# Altium PCB Battman.PcbDoc (part 4 of 5)
Units mm, origin at the board's own origin, x right, y up, seen from the top; angles counter-clockwise.
Board outline 110 x 68 mm, 6 copper layers (Top Layer, Mid Layer 1, Mid Layer 2, Mid Layer 3, Mid Layer 4, Bottom Layer), stack 1.235 mm thick; 358 components, 241 nets, 1126 pads, 1797 vias.
Unrouted connection lines stored in the file: 2.
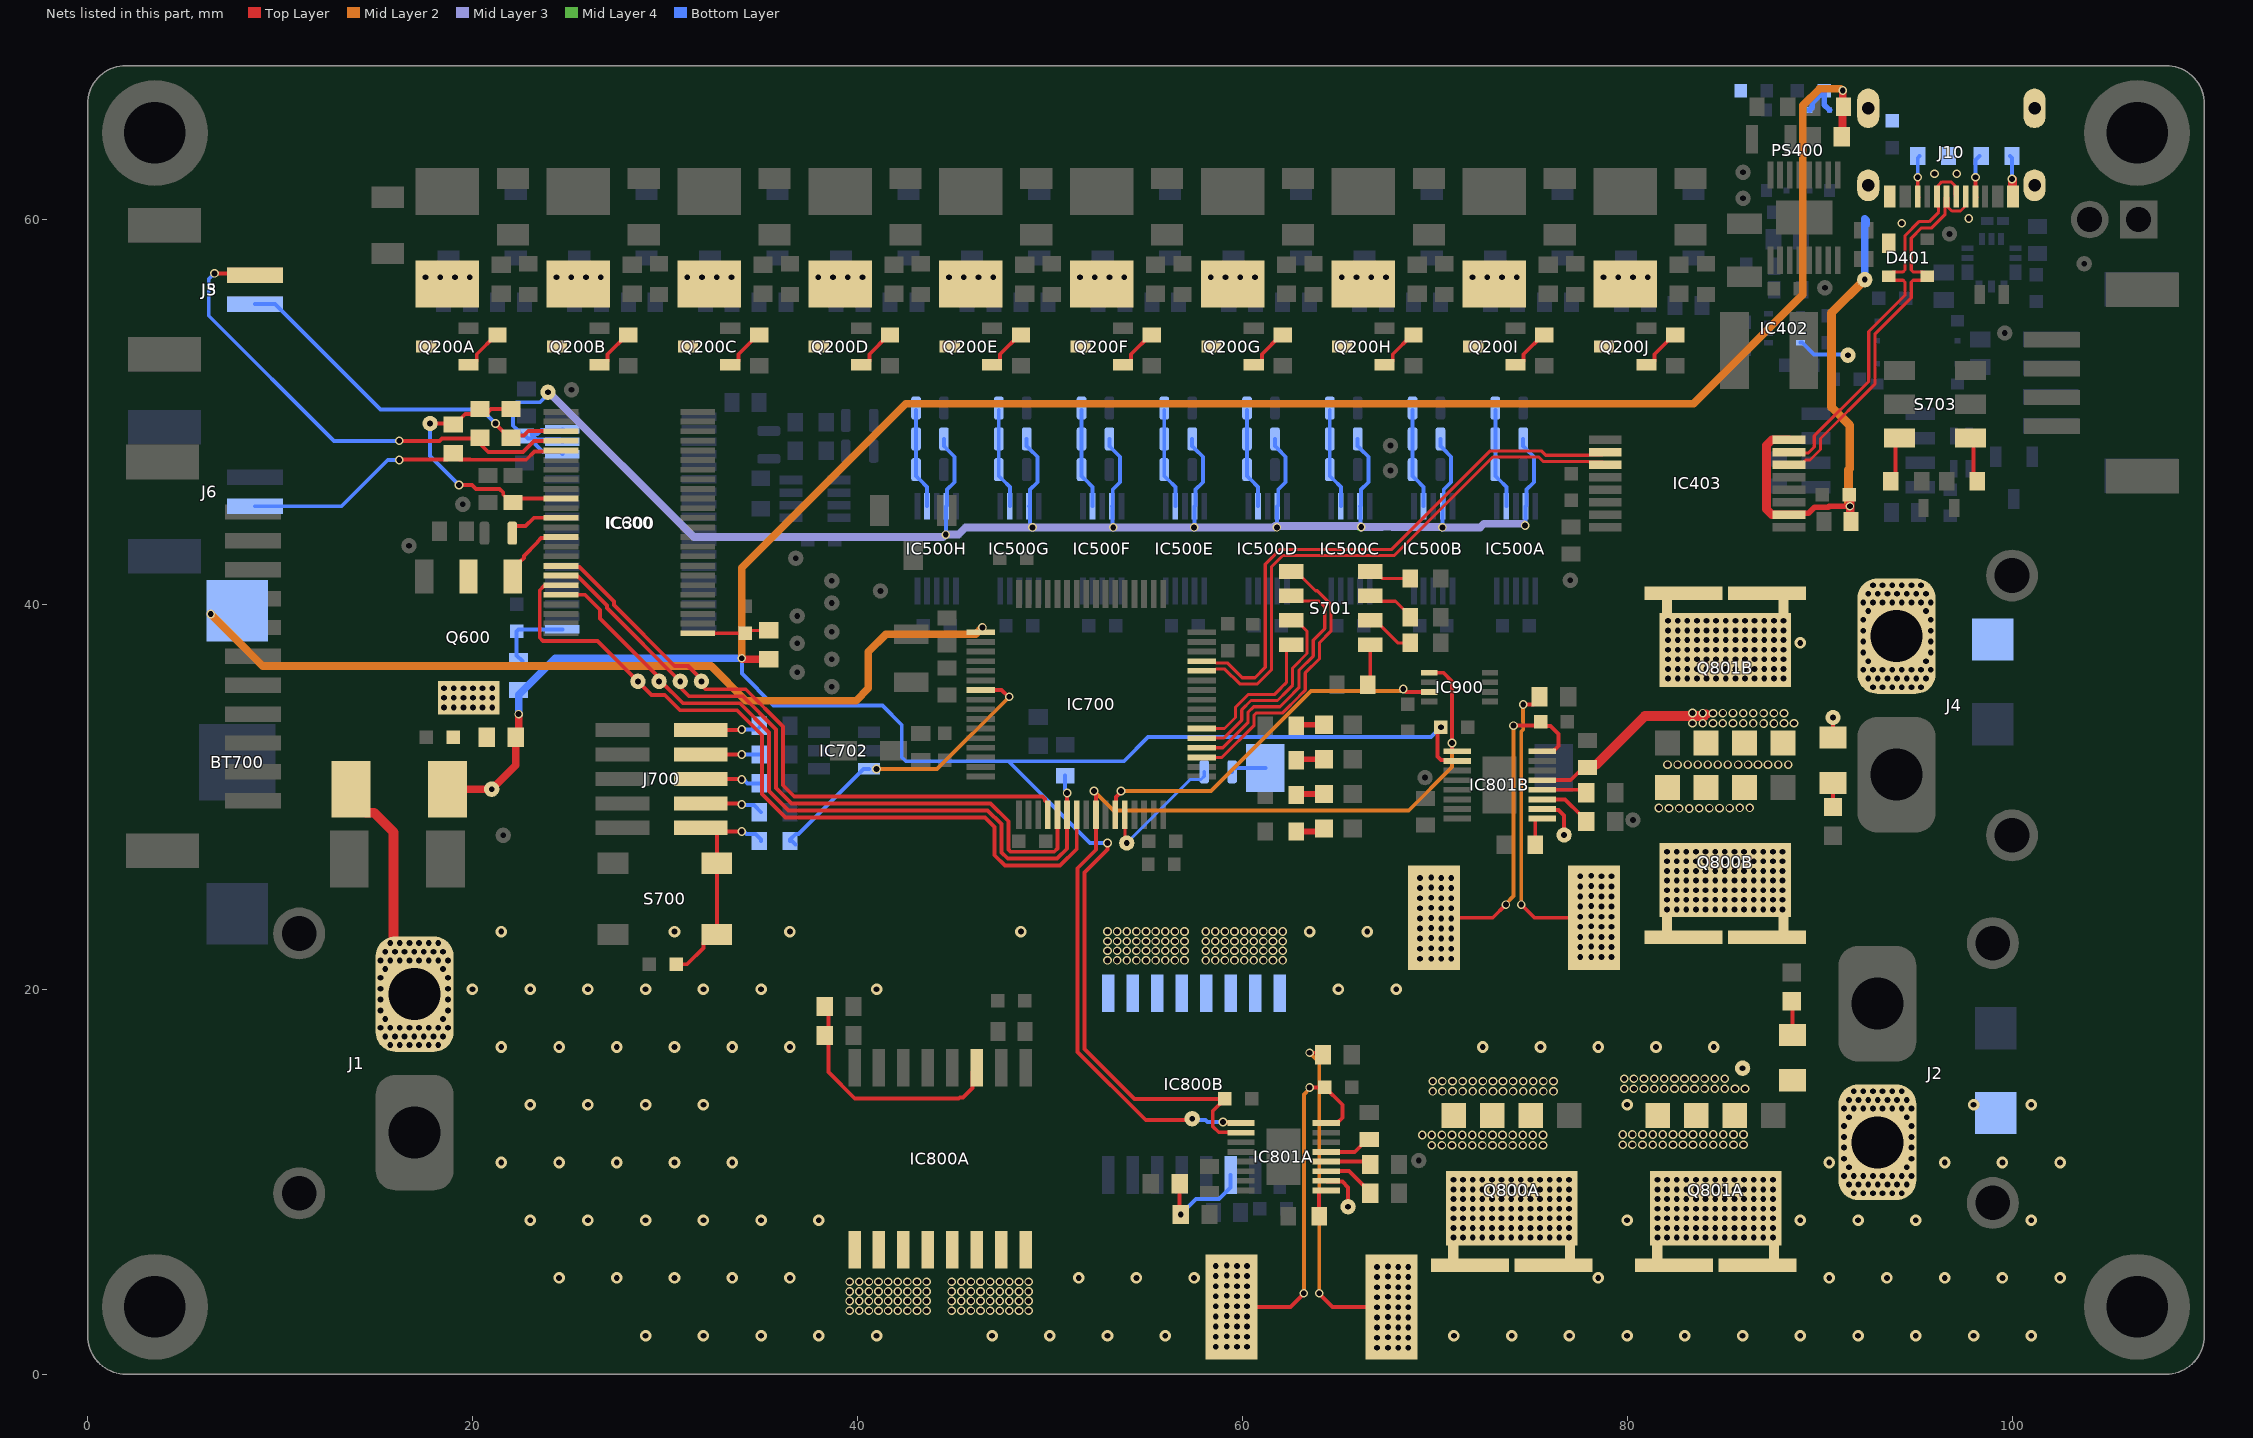
[diagram p8: the nets of this part, all layers, seen from the top]

## Via types
v1: diameter 0.45, hole 0.3, Top Layer to Bottom Layer, tented both sides, 1593 vias
v2: diameter 0.6, hole 0.3, Top Layer to Bottom Layer, tented both sides, 204 vias

## Nets (pads, with @x,y where several pads share a name; then routed paths per layer and width w, separated by ;. In a path a pad name is that pad's centre, name@x,y a point inside that pad or via, vN(x,y) a via of type N, cw(c..) or ccw(c..) an arc to the next point about the centre after c; other vN are vias at no path point) (continued)
NetIC402_8: IC402.8 TP404.1 | length 2.7
  Bottom Layer w0.203: IC402.8@89.013,53.6 89.1,53.6 89.721,52.98 TP404.1@91.445,52.98
NetIC500A_2: IC500A.2 JS500A.2 JS501A.2 JS502A.2 | length 5.2
  Bottom Layer w0.203: JS500A.2@73.15,50.1 JS501A.2@73.15,48.6 73.15,46.663 73.311,46.502 73.328,46.502 73.725,46.105 IC500A.2@73.725,45.1
NetIC500B_2: IC500B.2 JS500B.2 JS501B.2 JS502B.2 | length 5.2
  Bottom Layer w0.203: JS500B.2@68.85,50.1 JS501B.2@68.85,48.6 68.85,46.663 69.011,46.502 69.028,46.502 69.425,46.105 IC500B.2@69.425,45.1
NetIC500C_2: IC500C.2 JS500C.2 JS501C.2 JS502C.2 | length 5.2
  Bottom Layer w0.203: JS500C.2@64.55,50.1 JS501C.2@64.55,48.6 64.55,46.663 64.711,46.502 64.728,46.502 65.125,46.105 IC500C.2@65.125,45.1
NetIC500D_2: IC500D.2 JS500D.2 JS501D.2 JS502D.2 | length 5.2
  Bottom Layer w0.203: JS500D.2@60.25,50.1 JS501D.2@60.25,48.6 60.25,46.663 60.411,46.502 60.428,46.502 60.825,46.105 IC500D.2@60.825,45.1
NetIC500E_2: IC500E.2 JS500E.2 JS501E.2 JS502E.2 | length 5.2
  Bottom Layer w0.203: JS500E.2@55.95,50.1 JS501E.2@55.95,48.6 55.95,46.663 56.111,46.502 56.128,46.502 56.525,46.105 IC500E.2@56.525,45.1
NetIC500F_2: IC500F.2 JS500F.2 JS501F.2 JS502F.2 | length 5.2
  Bottom Layer w0.203: JS500F.2@51.65,50.1 JS501F.2@51.65,48.6 51.65,46.663 51.811,46.502 51.828,46.502 52.225,46.105 IC500F.2@52.225,45.1
NetIC500G_2: IC500G.2 JS500G.2 JS501G.2 JS502G.2 | length 5.2
  Bottom Layer w0.203: JS500G.2@47.35,50.1 JS501G.2@47.35,48.6 47.35,46.663 47.511,46.502 47.528,46.502 47.925,46.105 IC500G.2@47.925,45.1
NetIC500H_2: IC500H.2 JS500H.2 JS501H.2 JS502H.2 | length 5.2
  Bottom Layer w0.203: JS500H.2@43.05,50.1 JS501H.2@43.05,48.6 43.05,46.663 43.211,46.502 43.228,46.502 43.625,46.105 IC500H.2@43.625,45.1
NetIC600_36: IC600.36 JS600.1 | length 3
  Top Layer w0.203: JS600.1@22.075,43.7 22.075,43.927 22.222,44.073 22.764,44.073 23.191,44.5 IC600.36@24.6,44.5
NetIC600_38: IC600.38 Q600.1 | length 2.9
  Top Layer w0.203: Q600.1@22.473,42.073 22.473,42.223 22.67,42.42 22.67,42.519 23.395,43.244 23.395,43.276 23.574,43.455 24.555,43.455 IC600.38@24.6,43.5
NetIC600_41: IC600.41 IC700.20 TP606.1 | length 33
  Top Layer w0.203: IC600.41@24.6,42 24.648,41.951 25.562,41.951 26.064,41.449 27.356,40.158 27.356,39.958 30.513,36.8 31.2,36.8 TP606.1@31.9,36.1 ; TP606.1@31.9,36 31.957,35.943 31.957,35.737 32.105,35.589 34.2,35.589 36.137,33.652 36.137,30.603 36.721,30.019 49.616,30.019 49.752,29.883 49.752,29.798 49.852,29.698 49.852,29.111 IC700.20@49.9,29.062
NetIC600_42: IC600.42 IC700.21 TP605.1 | length 36.4
  Top Layer w0.203: IC600.42@24.6,41.5 24.648,41.451 25.483,41.451 26.993,39.942 26.993,39.807 TP605.1@30.8,36 ; TP605.1@30.642,35.842 31.258,35.226 34.05,35.226 35.774,33.502 35.774,30.453 36.571,29.656 46.925,29.656 47.848,28.732 47.848,27.267 47.967,27.148 49.736,27.148 49.793,27.148 50.233,27.148 50.4,27.315 IC700.21@50.4,29.062
NetIC600_43: IC600.43 IC700.23 TP604.1 | length 41.3
  Top Layer w0.203: IC600.43@24.6,41 24.552,40.951 23.717,40.951 23.498,40.733 23.498,38.267 23.665,38.1 26.5,38.1 TP604.1@28.6,36 29.3,35.3 29.403,35.3 29.408,35.295 29.995,35.295 30.79,34.5 32.988,34.5 32.99,34.498 33.751,34.498 34.219,34.03 35.048,33.201 35.048,30.152 36.27,28.93 46.624,28.93 47.122,28.431 47.122,26.966 47.666,26.422 50.094,26.422 50.534,26.422 51.4,27.289 IC700.23@51.4,29.062
NetIC600_44: IC600.44 IC700.22 R711.2 TP603.1 | length 39
  Top Layer w0.203: IC600.44@24.6,40.5 25.849,40.5 26.63,39.719 26.63,39.27 TP603.1@29.8,36.1 ; TP603.1@29.7,36 29.803,36 30.94,34.863 33.899,34.863 35.411,33.351 35.411,30.302 36.421,29.293 46.774,29.293 47.485,28.581 47.485,27.116 47.816,26.785 49.886,26.785 49.944,26.785 50.384,26.785 50.9,27.302 IC700.22@50.9,29.062 v1(50.9,30.2)
  Bottom Layer w0.203: R711.2@50.8,31.1 50.8,30.367 50.9,30.267 v1(50.9,30.2)
NetIC700_27: IC700.27 IC900.7 | length 19.6
  Top Layer w0.203: IC700.27@53.4,29.062 53.449,29.11 53.449,29.982 53.7,30.233 v1(53.7,30.3) ; v1(68.367,35.6) 68.517,35.45 IC900.7@69.725,35.45
  Mid Layer 2 w0.203: v1(53.7,30.3) 58.383,30.3 63.577,35.493 68.193,35.493 68.3,35.6 v1(68.367,35.6)
NetIC700_28: IC700.28 JS700.1 TP700.1 | length 7.3
  Top Layer w0.163: TP700.1@53.9,27.6 IC700.28@53.9,29.062
  Bottom Layer w0.163: TP700.1@53.9,27.5 57.302,30.902 57.86,30.902 58.025,31.067 JS700.1@58.025,31.3
NetIC700_35: IC700.35 S701.B1 | length 14.9
  Top Layer w0.163: IC700.35@57.888,32.05 58.95,32.05 60.618,33.718 60.618,34.25 60.725,34.357 62.085,34.357 62.099,34.371 62.113,34.371 62.979,35.237 62.979,35.251 63.275,35.546 63.275,36.439 64.013,37.177 64.013,38.01 64.608,38.605 64.608,40.01 63.907,40.711 63.804,40.711 62.805,41.71 S701.B1@62.55,41.71
NetIC700_36: IC700.36 S701.B2 | length 13.4
  Top Layer w0.163: IC700.36@57.888,32.55 58.993,32.55 60.295,33.852 60.295,34.384 60.591,34.68 61.123,34.68 61.964,34.68 62.656,35.371 62.656,35.384 62.941,35.67 62.941,36.563 63.69,37.311 63.69,38.144 64.285,38.739 64.285,39.876 63.986,40.175 62.815,40.175 S701.B2@62.55,40.44
NetIC700_37: IC700.37 S701.B3 | length 10.4
  Top Layer w0.163: IC700.37@57.888,33.05 59.036,33.05 59.972,33.986 59.972,34.518 60.457,35.003 60.989,35.003 61.831,35.003 62.333,35.505 62.333,35.518 62.618,35.804 62.618,36.696 63.367,37.445 63.367,38.608 62.805,39.17 S701.B3@62.55,39.17
NetIC700_38: IC700.38 S701.B4 | length 7.8
  Top Layer w0.163: IC700.38@57.888,33.55 59.079,33.55 59.649,34.12 59.649,34.652 60.323,35.326 61.697,35.326 62.01,35.639 62.01,35.652 62.295,35.937 62.295,37.645 S701.B4@62.55,37.9
NetIC801A_9: IC801A.9 R807A.2 | length 1.7
  Top Layer w0.203: R807A.2@64,8.2 64,9.502 64.048,9.55 IC801A.9@64.362,9.55
NetIC801A_10: IC801A.10 TP802A.1 | length 2.3
  Top Layer w0.203: IC801A.10@64.362,10.05 64.407,10.005 65.201,10.005 65.5,9.706 TP802A.1@65.5,8.7
NetIC801A_11: IC801A.11 R804A.1 | length 2.4
  Top Layer w0.203: IC801A.11@64.362,10.55 65.55,10.55 R804A.1@66.4,9.7
NetIC801A_12: IC801A.12 R803A.1 | length 1.8
  Top Layer w0.203: IC801A.12@64.362,11.05 66.208,11.05
NetIC801B_9: IC801B.9 R807B.2 | length 2.1
  Top Layer w0.163: R807B.2@75.224,27.518 75.224,28.799 75.293,28.868 IC801B.9@75.586,28.868
  Top Layer w0.203: IC801B.9@75.224,28.819 75.273,28.868 IC801B.9@75.586,28.868
NetIC801B_10: IC801B.10 TP802B.1 | length 2.3
  Top Layer w0.203: IC801B.10@75.586,29.368 75.632,29.322 76.425,29.322 76.724,29.023 TP802B.1@76.724,28.018
NetIC801B_11: IC801B.11 R804B.1 | length 2.4
  Top Layer w0.203: IC801B.11@75.586,29.868 76.774,29.868 R804B.1@77.624,29.018
NetIC801B_12: IC801B.12 R803B.1 | length 1.8
  Top Layer w0.203: IC801B.12@75.586,30.368 77.432,30.368
NetJ10_A5: J10.A5 R2.2 | length 2.2
  Top Layer w0.203: v1(98.1,62.2) J10.A5@98.1,61.2 J10.A5@98.145,61.155
  Bottom Layer w0.203: v1(98.1,62.2) 98.1,63.1 R2.2@98.3,63.3
NetJ10_B5: J10.B5 R1.2 | length 2.2
  Top Layer w0.203: v1(95.1,62.2) J10.B5@95.1,61.2 J10.B5@95.145,61.155
  Bottom Layer w0.203: v1(95.1,62.2) 95.1,63.2 R1.2@95.2,63.3
NetJ700_2: J700.2 R712.1 | length 3.2
  Top Layer w0.203: J700.2@31.87,33.47 v1@34,33.47
  Bottom Layer w0.203: v1(34,33.5) 34.8,33.5 R712.1@35,33.7
NetJ700_4: J700.4 R713.1 | length 3.1
  Top Layer w0.203: J700.4@31.87,32.2 v1(34,32.2)
  Bottom Layer w0.203: v1(34,32.2) R713.1@35,32.2
NetJ700_6: J700.6 R714.1 | length 3.2
  Top Layer w0.203: J700.6@31.87,30.93 v1@34,30.93
  Bottom Layer w0.203: v1(34,30.9) 34.102,30.9 34.302,30.7 R714.1@35,30.7
NetJ700_8: J700.8 R715.1 | length 3.3
  Top Layer w0.203: J700.8@31.87,29.66 v1@34,29.66
  Bottom Layer w0.203: v1(34,29.6) 34.027,29.573 34.626,29.573 R715.1@35,29.2
NetJS700_2: JS700.2 LS700.1 | length 1.8
  Bottom Layer w0.203: JS700.2@59.475,31.3 59.475,31.353 59.622,31.5 LS700.1@61.2,31.5
NetLED700_2: LED700.2 R700.1 | length 1.5
  Top Layer w0.3: R700.1@62.8,33.7 62.85,33.75 LED700.2@64.25,33.75
NetLED701_2: LED701.2 R701.1 | length 1.5
  Top Layer w0.3: R701.1@62.8,31.9 62.85,31.95 LED701.2@64.25,31.95
NetLED702_2: LED702.2 R702.1 | length 1.5
  Top Layer w0.3: R702.1@62.8,30.1 62.85,30.15 LED702.2@64.25,30.15
NetLED703_2: LED703.2 R703.1 | length 1.5
  Top Layer w0.3: R703.1@62.8,28.2 64.1,28.2 LED703.2@64.25,28.35
NetLED800A_2: LED800A.2 R800A.2 | length 2
  Top Layer w0.203: R800A.2@88.6,17.4 R800A.2@88.6,17.625 LED800A.2@88.6,19.375
NetLED800B_2: LED800B.2 R800B.2 | length 1.3
  Top Layer w0.203: LED800B.2@90.69,29.81 90.7,29.82 R800B.2@90.7,31.1
NetQ200A_1: Q200A.1 R202A.1 | length 2.3
  Top Layer w0.203: Q200A.1@19.8,52.45 20.025,52.45 20.223,52.648 20.223,52.998 21.225,54 R202A.1@21.3,54
NetQ200A_3: Q200A.3 R203A.2
  other v1: 17.567,57 18.333,57 19.1,57 19.867,57
NetQ200B_1: Q200B.1 R202B.1 | length 2.3
  Top Layer w0.203: Q200B.1@26.6,52.45 26.825,52.45 27.023,52.648 27.023,52.998 28.025,54 R202B.1@28.1,54
NetQ200B_3: Q200B.3 R203B.2
  other v1: 24.367,57 25.133,57 25.9,57 26.667,57
NetQ200C_1: Q200C.1 R202C.1 | length 2.3
  Top Layer w0.203: Q200C.1@33.4,52.45 33.625,52.45 33.823,52.648 33.823,52.998 34.825,54 R202C.1@34.9,54
NetQ200C_3: Q200C.3 R203C.2
  other v1: 31.167,57 31.933,57 32.7,57 33.467,57
NetQ200D_1: Q200D.1 R202D.1 | length 2.3
  Top Layer w0.203: Q200D.1@40.2,52.45 40.425,52.45 40.623,52.648 40.623,52.998 41.625,54 R202D.1@41.7,54
NetQ200D_3: Q200D.3 R203D.2
  other v1: 37.967,57 38.733,57 39.5,57 40.267,57
NetQ200E_1: Q200E.1 R202E.1 | length 2.3
  Top Layer w0.203: Q200E.1@47,52.45 47.225,52.45 47.423,52.648 47.423,52.998 48.425,54 R202E.1@48.5,54
NetQ200E_3: Q200E.3 R203E.2
  other v1: 44.767,57 45.533,57 46.3,57 47.067,57
NetQ200F_1: Q200F.1 R202F.1 | length 2.3
  Top Layer w0.203: Q200F.1@53.8,52.45 54.025,52.45 54.223,52.648 54.223,52.998 55.225,54 R202F.1@55.3,54
NetQ200F_3: Q200F.3 R203F.2
  other v1: 51.567,57 52.333,57 53.1,57 53.867,57
NetQ200G_1: Q200G.1 R202G.1 | length 2.3
  Top Layer w0.203: Q200G.1@60.6,52.45 60.825,52.45 61.023,52.648 61.023,52.998 62.025,54 R202G.1@62.1,54
NetQ200G_3: Q200G.3 R203G.2
  other v1: 58.367,57 59.133,57 59.9,57 60.667,57
NetQ200H_1: Q200H.1 R202H.1 | length 2.3
  Top Layer w0.203: Q200H.1@67.4,52.45 67.625,52.45 67.823,52.648 67.823,52.998 68.825,54 R202H.1@68.9,54
NetQ200H_3: Q200H.3 R203H.2
  other v1: 65.167,57 65.933,57 66.7,57 67.467,57
NetQ200I_1: Q200I.1 R202I.1 | length 2.3
  Top Layer w0.203: Q200I.1@74.2,52.45 74.425,52.45 74.623,52.648 74.623,52.998 75.625,54 R202I.1@75.7,54
NetQ200I_3: Q200I.3 R203I.2
  other v1: 71.967,57 72.733,57 73.5,57 74.267,57
NetQ200J_1: Q200J.1 R202J.1 | length 2.3
  Top Layer w0.203: Q200J.1@81,52.45 81.225,52.45 81.423,52.648 81.423,52.998 82.425,54 R202J.1@82.5,54
NetQ200J_3: Q200J.3 R203J.2
  other v1: 78.767,57 79.533,57 80.3,57 81.067,57
NetR704_2: R704.2 S701.A1 | length 2.1
  Top Layer w0.163: R704.2@66.525,35.825 66.65,35.95 S701.A1@66.65,37.9
NetR705_2: R705.2 S701.A2 | length 2.6
  Top Layer w0.163: S701.A2@66.65,39.17 66.905,39.17 68.075,38 R705.2@68.725,38
NetR706_2: R706.2 S701.A3 | length 2.6
  Top Layer w0.163: S701.A3@66.65,40.44 66.93,40.16 67.965,40.16 68.725,39.4 R706.2@68.725,39.325
NetR707_2: R707.2 S701.A4 | length 2.2
  Top Layer w0.163: S701.A4@66.65,41.71 66.905,41.71 67.265,41.35 R707.2@68.725,41.35
NetR708_1: R708.1 S703.6 | length 1.7
  Top Layer w0.203: R708.1@98,46.4 98,48.1
NetR709_2: R709.2 S703.3 | length 2.2
  Top Layer w0.203: R709.2@93.95,46.225 S703.3@93.95,48.45
NRST: IC700.7 IC702.3 R716.2 | length 16
  Top Layer w0.203: IC700.7@46.412,35.55 47.501,35.55 47.851,35.2 v1(47.9,35.2)
  Mid Layer 2 w0.203: v1(41,31.45) 44.15,31.45 v1(47.9,35.2)
  Bottom Layer w0.203: R716.2@36.5,27.7 36.5,27.775 36.799,28.073 36.948,28.073 40.325,31.45 IC702.3@40.6,31.45 ; R716.2@36.6,27.7 R716.2@36.78,27.52
Out1: D800A.1 J2.2 Q801A.3
  other v1: 81.575,7.1 82.075,7.1 82.575,7.1 83.075,7.1 83.575,7.1 84.075,7.1 84.575,7.1 85.075,7.1 85.575,7.1 86.075,7.1 86.575,7.1 87.075,7.1 87.575,7.1 81.575,7.6 82.075,7.6 82.575,7.6 83.075,7.6 83.575,7.6 84.075,7.6 84.575,7.6 85.075,7.6 85.575,7.6 86.075,7.6 86.575,7.6 87.075,7.6 87.575,7.6 81.575,8.1 82.075,8.1 82.575,8.1 83.075,8.1 83.575,8.1 84.075,8.1 84.575,8.1 85.075,8.1 85.575,8.1 86.075,8.1 86.575,8.1 87.075,8.1 87.575,8.1 81.575,8.6 82.075,8.6 82.575,8.6 83.075,8.6 83.575,8.6 84.075,8.6 84.575,8.6 85.075,8.6 85.575,8.6 86.075,8.6 86.575,8.6 87.075,8.6 87.575,8.6 81.575,9.1 82.075,9.1 82.575,9.1 83.075,9.1 83.575,9.1 84.075,9.1 84.575,9.1 85.075,9.1 85.575,9.1 86.075,9.1 86.575,9.1 87.075,9.1 87.575,9.1 91.775,9.4 92.275,9.4 92.775,9.4 93.275,9.4 93.775,9.4 94.275,9.4 81.575,9.6 82.075,9.6 82.575,9.6 83.075,9.6 83.575,9.6 84.075,9.6 84.575,9.6 85.075,9.6 85.575,9.6 86.075,9.6 86.575,9.6 87.075,9.6 87.575,9.6 91.525,9.85 92.025,9.85 92.525,9.85 93.025,9.85 93.525,9.85 94.025,9.85 94.525,9.85 81.575,10.1 82.075,10.1 82.575,10.1 83.075,10.1 83.575,10.1 84.075,10.1 84.575,10.1 85.075,10.1 85.575,10.1 86.075,10.1 86.575,10.1 87.075,10.1 87.575,10.1 91.275,10.3 91.775,10.3 92.275,10.3 92.775,10.3 93.275,10.3 93.775,10.3 94.275,10.3 94.775,10.3 91.525,10.75 94.525,10.75 91.275,11.2 94.775,11.2 91.275,11.775 94.775,11.775 91.275,12.325 94.775,12.325 91.275,12.9 94.775,12.9 91.525,13.35 94.525,13.35 91.275,13.8 91.775,13.8 92.275,13.8 92.775,13.8 93.275,13.8 93.775,13.8 94.275,13.8 94.775,13.8 91.525,14.25 92.025,14.25 92.525,14.25 93.025,14.25 93.525,14.25 94.025,14.25 94.525,14.25 91.775,14.7 92.275,14.7 92.775,14.7 93.275,14.7 93.775,14.7 94.275,14.7
  other v2: 80,2 83,2 86,2 89,2 92,2 95,2 98,2 101,2 90.5,5 93.5,5 96.5,5 99.5,5 102.5,5 80,8 89,8 92,8 95,8 101,8 90.5,11 96.5,11 99.5,11 102.5,11 98,14 101,14
Out2: D800B.1 J4.1 Q801B.3
  other v1: 92.775,35.7 93.275,35.7 93.775,35.7 94.275,35.7 94.775,35.7 95.275,35.7 82.125,36.145 82.625,36.145 83.125,36.145 83.625,36.145 84.125,36.145 84.625,36.145 85.125,36.145 85.625,36.145 86.125,36.145 86.625,36.145 87.125,36.145 87.625,36.145 88.125,36.145 92.525,36.15 93.025,36.15 93.525,36.15 94.025,36.15 94.525,36.15 95.025,36.15 95.525,36.15 92.275,36.6 92.775,36.6 93.275,36.6 93.775,36.6 94.275,36.6 94.775,36.6 95.275,36.6 95.775,36.6 82.125,36.645 82.625,36.645 83.125,36.645 83.625,36.645 84.125,36.645 84.625,36.645 85.125,36.645 85.625,36.645 86.125,36.645 86.625,36.645 87.125,36.645 87.625,36.645 88.125,36.645 92.525,37.05 95.525,37.05 82.125,37.145 82.625,37.145 83.125,37.145 83.625,37.145 84.125,37.145 84.625,37.145 85.125,37.145 85.625,37.145 86.125,37.145 86.625,37.145 87.125,37.145 87.625,37.145 88.125,37.145 92.275,37.5 95.775,37.5 82.125,37.645 82.625,37.645 83.125,37.645 83.625,37.645 84.125,37.645 84.625,37.645 85.125,37.645 85.625,37.645 86.125,37.645 86.625,37.645 87.125,37.645 87.625,37.645 88.125,37.645 92.275,38.075 95.775,38.075 82.125,38.145 82.625,38.145 83.125,38.145 83.625,38.145 84.125,38.145 84.625,38.145 85.125,38.145 85.625,38.145 86.125,38.145 86.625,38.145 87.125,38.145 87.625,38.145 88.125,38.145 92.275,38.625 95.775,38.625 82.125,38.645 82.625,38.645 83.125,38.645 83.625,38.645 84.125,38.645 84.625,38.645 85.125,38.645 85.625,38.645 86.125,38.645 86.625,38.645 87.125,38.645 87.625,38.645 88.125,38.645 82.125,39.145 82.625,39.145 83.125,39.145 83.625,39.145 84.125,39.145 84.625,39.145 85.125,39.145 85.625,39.145 86.125,39.145 86.625,39.145 87.125,39.145 87.625,39.145 88.125,39.145 92.275,39.2 95.775,39.2 92.525,39.65 95.525,39.65 92.275,40.1 92.775,40.1 93.275,40.1 93.775,40.1 94.275,40.1 94.775,40.1 95.275,40.1 95.775,40.1 92.525,40.55 93.025,40.55 93.525,40.55 94.025,40.55 94.525,40.55 95.025,40.55 95.525,40.55 92.775,41 93.275,41 93.775,41 94.275,41 94.775,41 95.275,41
  other v2: 89,38
OutputEnable: IC700.25 IC801A.1 IC801B.1 IC900.5 TP900.1 | length 50.5
  Top Layer w0.203: v1(52.3,30.3) 52.3,30.233 52.4,30.133 52.4,27.253 51.437,26.289 51.437,16.75 54.986,13.2 TP900.1@57.4,13.2 ; v1(59,13.1) 59.025,13.075 59.913,13.075 IC801A.1@59.938,13.05 ; IC900.5@69.725,36.45 70.45,36.45 70.9,36 v1(70.9,32.8) 70.9,32.416 70.948,32.368 IC801B.1@71.162,32.368
  Mid Layer 2 w0.203: v1(52.3,30.3) 53.304,29.296 68.651,29.296 70.9,31.544 v1(70.9,32.8)
  Bottom Layer w0.203: TP900.1@57.4,13.2 58.1,13.2 58.2,13.1 v1(59,13.1)
RST: C708.1 J700.10 R716.1 S700.1 | length 11.7
  Top Layer w0.203: C708.1@30.6,21.3 31.15,21.3 32.001,22.152 32.001,22.402 32.45,22.85 S700.1@32.7,22.85 S700.1@32.7,26.55 32.7,28.121 32.431,28.39 J700.10@31.87,28.39 ; J700.10@32.7,28.2 v1(34,28.2)
  Bottom Layer w0.203: v1(34,28.2) 34.107,28.2 34.234,28.073 34.701,28.073 35,27.775 R716.1@35,27.7
shunt+A: C805A.2 IC800A.5 IC800A.6 IC800A.7 IC800A.8 IC801A.16 R805A.1 | length 18.5
  Top Layer w0.203: R805A.1@59.45,3.5 R805A.1@59.725,3.5 ; v1(59.725,3.525) v1(60.25,3.525) ; R805A.1@60.25,3.5 62.5,3.5 v1(63.2,4.2) ; v1(63.5,14.9) C805A.2@64.3,14.9 65.2,14 65.2,13.326 64.973,13.098 IC801A.16@64.41,13.098
  Mid Layer 2 w0.203: v1(63.2,4.2) 63.2,14.533 63.5,14.833 v1(63.5,14.9)
  other v1: 58.625,1.425 59.2,1.425 59.725,1.425 60.25,1.425 58.625,1.95 59.725,1.95 60.25,1.95 59.2,1.975 58.625,2.475 59.725,2.475 60.25,2.475 59.2,2.5 58.625,3 59.725,3 60.25,3 59.2,3.025 44.9,3.3 45.4,3.3 45.9,3.3 46.4,3.3 46.9,3.3 47.4,3.3 47.9,3.3 48.4,3.3 48.9,3.3 58.625,3.525 59.2,3.55 44.9,3.8 45.4,3.8 45.9,3.8 46.4,3.8 46.9,3.8 47.4,3.8 47.9,3.8 48.4,3.8 48.9,3.8 58.625,4.05 59.725,4.05 60.25,4.05 59.2,4.075 44.9,4.3 45.4,4.3 45.9,4.3 46.4,4.3 46.9,4.3 47.4,4.3 47.9,4.3 48.4,4.3 48.9,4.3 58.625,4.575 59.725,4.575 60.25,4.575 59.2,4.6 44.9,4.8 45.4,4.8 45.9,4.8 46.4,4.8 46.9,4.8 47.4,4.8 47.9,4.8 48.4,4.8 48.9,4.8 58.625,5.1 59.725,5.1 60.25,5.1 59.2,5.125 58.625,5.625 59.725,5.625 60.25,5.625 59.2,5.65
  other v2: 47,2 50,2 53,2 56,2 51.5,5 54.5,5 57.5,5
shunt+B: C805B.2 IC800B.5 IC800B.6 IC800B.7 IC800B.8 IC801B.16 R805B.1 | length 18.5
  Top Layer w0.203: R805B.1@69.974,23.718 73.018,23.718 v1(73.7,24.4) ; R805B.1@70.066,23.658 R805B.1@70.341,23.658 ; v1(70.341,23.683) v1(70.866,23.683) ; v1(74.1,33.7) 75.3,33.7 C805B.2@75.5,33.9 75.712,33.688 76.012,33.688 76.424,33.276 76.424,32.643 76.197,32.416 IC801B.16@75.635,32.416
  Mid Layer 2 w0.203: v1(73.7,24.4) 73.7,24.444 74.1,24.844 v1(74.1,33.7)
  other v1: 58.1,21.5 58.6,21.5 59.1,21.5 59.6,21.5 60.1,21.5 60.6,21.5 61.1,21.5 61.6,21.5 62.1,21.5 69.241,21.583 69.816,21.583 70.341,21.583 70.866,21.583 58.1,22 58.6,22 59.1,22 59.6,22 60.1,22 60.6,22 61.1,22 61.6,22 62.1,22 69.241,22.108 70.341,22.108 70.866,22.108 69.816,22.133 58.1,22.5 58.6,22.5 59.1,22.5 59.6,22.5 60.1,22.5 60.6,22.5 61.1,22.5 61.6,22.5 62.1,22.5 69.241,22.633 70.341,22.633 70.866,22.633 69.816,22.658 58.1,23 58.6,23 59.1,23 59.6,23 60.1,23 60.6,23 61.1,23 61.6,23 62.1,23 69.241,23.158 70.341,23.158 70.866,23.158 69.816,23.183 69.241,23.683 69.816,23.708 69.241,24.208 70.341,24.208 70.866,24.208 69.816,24.233 69.241,24.733 70.341,24.733 70.866,24.733 69.816,24.758 69.241,25.258 70.341,25.258 70.866,25.258 69.816,25.283 69.241,25.783 70.341,25.783 70.866,25.783 69.816,25.808
  other v2: 65,20 68,20 63.5,23 66.5,23
shunt-A: Q800A.3 R805A.2 R806A.2 | length 18.3
  Top Layer w0.203: v1(63.5,16.7) 64.1,16.7 R806A.2@64.2,16.6 ; v1(64,4.2) 64.7,3.5 R805A.2@67.75,3.5 ; R805A.2@67.827,3.448 R805A.2@68.102,3.448 ; v1(68.102,3.473) v1(68.627,3.473)
  Mid Layer 2 w0.203: v1(63.5,16.7) 64.002,16.198 64.002,4.202 v1(64,4.2)
  other v1: 67.002,1.373 67.577,1.373 68.102,1.373 68.627,1.373 67.002,1.898 68.102,1.898 68.627,1.898 67.577,1.923 67.002,2.423 68.102,2.423 68.627,2.423 67.577,2.448 67.002,2.948 68.102,2.948 68.627,2.948 67.577,2.973 67.002,3.473 67.577,3.498 67.002,3.998 68.102,3.998 68.627,3.998 67.577,4.023 67.002,4.523 68.102,4.523 68.627,4.523 67.577,4.548 67.002,5.048 68.102,5.048 68.627,5.048 67.577,5.073 67.002,5.573 68.102,5.573 68.627,5.573 67.577,5.598 70.975,7.1 71.475,7.1 71.975,7.1 72.475,7.1 72.975,7.1 73.475,7.1 73.975,7.1 74.475,7.1 74.975,7.1 75.475,7.1 75.975,7.1 76.475,7.1 76.975,7.1 70.975,7.6 71.475,7.6 71.975,7.6 72.475,7.6 72.975,7.6 73.475,7.6 73.975,7.6 74.475,7.6 74.975,7.6 75.475,7.6 75.975,7.6 76.475,7.6 76.975,7.6 70.975,8.1 71.475,8.1 71.975,8.1 72.475,8.1 72.975,8.1 73.475,8.1 73.975,8.1 74.475,8.1 74.975,8.1 75.475,8.1 75.975,8.1 76.475,8.1 76.975,8.1 70.975,8.6 71.475,8.6 71.975,8.6 72.475,8.6 72.975,8.6 73.475,8.6 73.975,8.6 74.475,8.6 74.975,8.6 75.475,8.6 75.975,8.6 76.475,8.6 76.975,8.6 70.975,9.1 71.475,9.1 71.975,9.1 72.475,9.1 72.975,9.1 73.475,9.1 73.975,9.1 74.475,9.1 74.975,9.1 75.475,9.1 75.975,9.1 76.475,9.1 76.975,9.1 70.975,9.6 71.475,9.6 71.975,9.6 72.475,9.6 72.975,9.6 73.475,9.6 73.975,9.6 74.475,9.6 74.975,9.6 75.475,9.6 75.975,9.6 76.475,9.6 76.975,9.6 70.975,10.1 71.475,10.1 71.975,10.1 72.475,10.1 72.975,10.1 73.475,10.1 73.975,10.1 74.475,10.1 74.975,10.1 75.475,10.1 75.975,10.1 76.475,10.1 76.975,10.1
  other v2: 71,2 74,2 77,2 78.5,5
shunt-B: Q800B.3 R805B.2 R806B.2 | length 16.4
  Top Layer w0.203: v1(74.5,24.4) 75.182,23.718 R805B.2@78.274,23.718 ; v1(74.6,34.8) 75.008,34.8 75.009,34.802 75.127,34.802 75.45,35.125 R806B.2@75.45,35.2 ; R805B.2@78.391,23.748 R805B.2@78.666,23.748 ; v1(78.666,23.773) v1(79.191,23.773)
  Mid Layer 2 w0.203: v1(74.5,24.4) 74.498,33.389 74.602,33.492 74.602,33.908 74.6,33.909 v1(74.6,34.8)
  other v1: 77.566,21.673 78.141,21.673 78.666,21.673 79.191,21.673 77.566,22.198 78.666,22.198 79.191,22.198 78.141,22.223 77.566,22.723 78.666,22.723 79.191,22.723 78.141,22.748 77.566,23.248 78.666,23.248 79.191,23.248 78.141,23.273 77.566,23.773 78.141,23.798 82.075,24.15 82.575,24.15 83.075,24.15 83.575,24.15 84.075,24.15 84.575,24.15 85.075,24.15 85.575,24.15 86.075,24.15 86.575,24.15 87.075,24.15 87.575,24.15 88.075,24.15 77.566,24.298 78.666,24.298 79.191,24.298 78.141,24.323 82.075,24.65 82.575,24.65 83.075,24.65 83.575,24.65 84.075,24.65 84.575,24.65 85.075,24.65 85.575,24.65 86.075,24.65 86.575,24.65 87.075,24.65 87.575,24.65 88.075,24.65 77.566,24.823 78.666,24.823 79.191,24.823 78.141,24.848 82.075,25.15 82.575,25.15 83.075,25.15 83.575,25.15 84.075,25.15 84.575,25.15 85.075,25.15 85.575,25.15 86.075,25.15 86.575,25.15 87.075,25.15 87.575,25.15 88.075,25.15 77.566,25.348 78.666,25.348 79.191,25.348 78.141,25.373 82.075,25.65 82.575,25.65 83.075,25.65 83.575,25.65 84.075,25.65 84.575,25.65 85.075,25.65 85.575,25.65 86.075,25.65 86.575,25.65 87.075,25.65 87.575,25.65 88.075,25.65 77.566,25.873 78.666,25.873 79.191,25.873 78.141,25.898 82.075,26.15 82.575,26.15 83.075,26.15 83.575,26.15 84.075,26.15 84.575,26.15 85.075,26.15 85.575,26.15 86.075,26.15 86.575,26.15 87.075,26.15 87.575,26.15 88.075,26.15 82.075,26.65 82.575,26.65 83.075,26.65 83.575,26.65 84.075,26.65 84.575,26.65 85.075,26.65 85.575,26.65 86.075,26.65 86.575,26.65 87.075,26.65 87.575,26.65 88.075,26.65 82.075,27.15 82.575,27.15 83.075,27.15 83.575,27.15 84.075,27.15 84.575,27.15 85.075,27.15 85.575,27.15 86.075,27.15 86.575,27.15 87.075,27.15 87.575,27.15 88.075,27.15
Temp1: IC600.27 J3.1 R603.2 | length 18.9
  Top Layer w0.203: v1(21.2,49.4) 21.2,49.375 21.925,48.65 R603.2@22,48.65 22.136,48.786 22.686,48.786 22.9,49 IC600.27@24.6,49
  Bottom Layer w0.203: J3.1@8.7,55.6 9.75,55.6 15.225,50.125 20.475,50.125 v1(21.2,49.4)
Temp2: IC600.28 J5.1 R602.2 | length 26
  Top Layer w0.203: v1(6.6,57.2) 8.6,57.2 J5.1@8.7,57.1 ; v1(16.2,48.5) 18.294,48.5 18.414,48.62 20.13,48.62 R602.2@20.228,48.522 ; R602.2@20.25,48.5 20.823,47.927 21.367,47.927 21.374,47.92 22.626,47.92 23.206,48.5 IC600.28@24.6,48.5
  Bottom Layer w0.203: v1(6.6,57.2) 6.3,56.9 6.3,55 12.8,48.5 v1(16.2,48.5)
Temp3: IC600.29 J6.1 R601.2 | length 17.4
  Top Layer w0.203: v1(16.2,47.5) 16.227,47.527 18.677,47.527 R601.2@19,47.85 19.323,47.527 19.867,47.527 19.88,47.514 22.795,47.514 23.236,47.955 24.555,47.955 IC600.29@24.6,48
  Bottom Layer w0.203: J6.1@8.7,45.1 13.2,45.1 15.6,47.5 v1(16.2,47.5)
TSA: C802A.2 IC801A.13 Q800A.2 Q801A.2 R800A.1 TP800A.1 | length 2.4
  Top Layer w0.203: IC801A.13@64.362,11.55 65.845,11.55 C802A.2@66.495,12.2
  other v1: 69.85,11.9 70.375,11.9 70.902,11.9 71.429,11.9 71.956,11.9 72.479,11.9 73.002,11.9 73.525,11.9 74.05,11.9 74.575,11.9 75.1,11.9 75.625,11.9 79.775,11.925 80.275,11.925 80.8,11.925 81.327,11.925 81.854,11.925 82.381,11.925 82.904,11.925 83.427,11.925 83.95,11.925 84.475,11.925 85,11.925 85.525,11.925 86.05,11.925 69.35,12.427 69.85,12.427 70.375,12.427 70.902,12.427 71.429,12.427 71.956,12.427 72.479,12.427 73.002,12.427 73.525,12.427 74.05,12.427 74.575,12.427 75.1,12.427 75.625,12.427 79.775,12.452 80.275,12.452 80.8,12.452 81.327,12.452 81.854,12.452 82.381,12.452 82.904,12.452 83.427,12.452 83.95,12.452 84.475,12.452 85,12.452 85.525,12.452 86.05,12.452 69.9,14.694 70.4,14.694 70.925,14.694 71.452,14.694 71.979,14.694 72.506,14.694 73.029,14.694 73.552,14.694 74.075,14.694 74.6,14.694 75.125,14.694 75.65,14.694 76.175,14.694 79.852,14.827 80.352,14.827 80.877,14.827 81.404,14.827 81.931,14.827 82.458,14.827 82.981,14.827 83.504,14.827 84.027,14.827 84.552,14.827 85.077,14.827 85.602,14.827 86.127,14.827 69.9,15.221 70.4,15.221 70.925,15.221 71.452,15.221 71.979,15.221 72.506,15.221 73.029,15.221 73.552,15.221 74.075,15.221 74.6,15.221 75.125,15.221 75.65,15.221 76.175,15.221 79.852,15.354 80.352,15.354 80.877,15.354 81.404,15.354 81.931,15.354 82.458,15.354 82.981,15.354 83.504,15.354 84.027,15.354 84.552,15.354 85.077,15.354
  other v2: 80,14 72.5,17 75.5,17 78.5,17 81.5,17 84.5,17
TSB: C802B.2 IC801B.13 Q800B.2 Q801B.2 R800B.1 TP800B.1 | length 10.9
  Top Layer w0.203: IC801B.13@75.586,30.868 77.069,30.868 C802B.2@77.719,31.518 ; R800B.1@90.7,32.7 TP800B.1@90.7,33.8
  Top Layer w0.5: C802B.2@77.824,31.518 C802B.2@77.929,31.518 ; C802B.2@77.95,31.525 78.09,31.665 78.39,31.665 80.925,34.2 83.4,34.2 84,34.2 v1@84.1,34.3
  other v1: 81.652,29.417 82.177,29.407 82.7,29.399 83.227,29.397 83.75,29.405 84.275,29.415 84.8,29.415 85.325,29.415 85.85,29.425 86.375,29.425 82.102,31.675 82.623,31.675 83.15,31.675 83.671,31.675 84.192,31.675 84.713,31.675 85.234,31.675 85.766,31.675 86.287,31.675 86.8,31.675 87.323,31.675 87.85,31.675 88.375,31.675 87.091,33.813 87.625,33.81 83.4,33.827 83.925,33.822 84.459,33.819 84.975,33.822 85.5,33.822 86.034,33.819 86.557,33.816 88.15,33.82 88.675,33.825 84.459,34.347 86.034,34.347 86.557,34.344 87.091,34.341 87.625,34.338 83.4,34.355 83.925,34.35 84.975,34.35 85.5,34.35 88.15,34.348
USB_D_N: D401.3 IC403.6 J10.A7 J10.B7 | length 21.6
  Top Layer w0.163: IC403.6@88.416,47.26 89.041,47.26 89.284,47.503 89.506,47.503 90.05,48.047 90.05,48.621 92.875,51.446 92.875,54.045 94.76,55.931 94.76,56.748 94.856,56.844 95.38,56.844 D401.3@95.599,57.062 95.38,57.28 94.856,57.28 94.76,57.376 94.76,59.03 95.293,59.563 95.828,59.563 96.512,60.246 96.512,60.611 96.532,60.631 96.532,61.132 J10.A7@96.6,61.2 96.668,61.132 96.668,60.65 96.875,60.443 97.325,60.443 97.532,60.65 97.532,61.132 J10.B7@97.6,61.2
USB_D_P: D401.2 IC403.7 J10.A6 J10.B6 | length 21
  Top Layer w0.163: IC403.7@88.416,47.91 88.457,47.869 89.415,47.869 89.727,48.181 89.727,48.755 92.552,51.58 92.552,54.179 94.437,56.064 94.437,56.748 94.342,56.844 93.817,56.844 D401.2@93.599,57.062 93.817,57.28 94.342,57.28 94.437,57.376 94.437,59.164 95.159,59.886 95.695,59.886 96.188,60.38 96.188,60.611 96.168,60.631 96.168,61.132 J10.B6@96.1,61.2 96.168,61.268 96.168,61.768 96.357,61.957 96.825,61.957 96.932,61.85 97.032,61.75 97.032,61.268 J10.A6@97.1,61.2
USB_GND: C400.1 C401.2 C408.1 C409.1 C412.2 D401.1 IC403.2 IC403.8 J10.A1_B12 J10.B1_A12 J10.SH1 J10.SH2 J10.SH3 J10.SH4 PS400.1 PS400.2_3 R1.1 R2.1 TP406.1 | length 32.7
  Top Layer w0.203: J10.B1_A12@93.625,61.225 J10.B1_A12@93.65,61.2 ; J10.A1_B12@99.855,61.005 J10.A1_B12@100.05,61.2 J10.A1_B12@100.025,61.225 ; v1(100,62.1) v1@100.025,62.075
  Top Layer w0.3: IC403.2@88.416,44.66 88.491,44.735 89.421,44.735 89.731,45.045 90.453,45.045 90.508,45.1 v1(91.575,45.1)
  Top Layer w0.45: IC403.2@88.416,44.66 87.531,44.66 87.241,44.95 87.241,48.27 87.531,48.56 IC403.8@88.416,48.56 ; C409.1@91.55,45.7 91.588,45.663 91.588,44.338 C412.2@91.625,44.3 ; J10.A1_B12@100.025,61.225 v1@100.025,62.075
  Mid Layer 2 w0.45: v1(91.575,45.1) 91.5,45.175 91.5,46.984 91.575,47.059 91.575,49.303 90.623,50.254 90.623,55.148 TP406.1@92.35,56.875
  Bottom Layer w0.203: R2.1@99.9,63.3 100,63.2 v1(100,62.1)
  Bottom Layer w0.3: PS400.2_3@89.475,65.687 89.622,65.835 89.622,66.076 C401.2@90.246,66.7 90.246,65.954 PS400.1@90.512,65.687 ; J10.SH4@92.343,65.962 J10.SH4@92.53,65.775
  Bottom Layer w0.4: TP406.1@92.35,56.875 92.35,59.874 92.425,59.949 ; 92.35,60.024 92.425,59.949 ; 92.425,59.75 92.425,59.949
  Bottom Layer w0.45: J10.SH2@92.53,61.336 J10.SH2@92.53,61.775
  other v1: 94.267,59.81 97.746,60.049 95.969,62.378 97.125,62.378
USB_ISO_N: IC403.11 IC700.44 | length 29.5
  Top Layer w0.163: IC700.44@57.888,36.55 57.957,36.618 58.62,36.618 58.64,36.638 59.093,36.638 59.864,35.867 60.795,35.867 61.523,36.595 61.523,41.955 62.106,42.538 67.906,42.538 73.023,47.656 75.405,47.656 75.637,47.423 78.002,47.423 78.022,47.403 78.722,47.403 IC403.11@78.866,47.26
USB_ISO_P: IC403.10 IC700.45 | length 29.5
  Top Layer w0.163: IC700.45@57.888,37.05 57.957,36.982 58.62,36.982 58.64,36.962 59.227,36.962 59.998,36.19 60.661,36.19 61.2,36.729 61.2,42.089 61.973,42.861 67.772,42.861 72.89,47.979 75.539,47.979 75.771,47.747 78.002,47.747 78.022,47.767 78.722,47.767 IC403.10@78.866,47.91
V_Bat: F1.1 IC800A.1 IC800A.2 IC800A.3 IC800A.4 IC800B.1 IC800B.2 IC800B.3 IC800B.4 J1.2 | length 14.5
  Top Layer w0.5: F1.1@13.7,30.4 13.7,29.935 14.46,29.175 14.893,29.175 15.9,28.168 15.9,20.85 J1.2@16.225,20.525 ; v1(16.225,22.4) 16.225,21.95 16.225,21.675 v1(16.225,21.5) J1.2@16.225,20.525 ; J1.2@16.45,21.675 16.675,21.45 J1.2@16.725,21.4 ; J1.2@17,19.75 J1.2@16.225,20.525
  other v1: 39.6,3.3 40.1,3.3 40.6,3.3 41.1,3.3 41.6,3.3 42.1,3.3 42.6,3.3 43.1,3.3 43.6,3.3 39.6,3.8 40.1,3.8 40.6,3.8 41.1,3.8 41.6,3.8 42.1,3.8 42.6,3.8 43.1,3.8 43.6,3.8 39.6,4.3 40.1,4.3 40.6,4.3 41.1,4.3 41.6,4.3 42.1,4.3 42.6,4.3 43.1,4.3 43.6,4.3 39.6,4.8 40.1,4.8 40.6,4.8 41.1,4.8 41.6,4.8 42.1,4.8 42.6,4.8 43.1,4.8 43.6,4.8 15.725,17.1 16.225,17.1 16.725,17.1 17.225,17.1 17.725,17.1 18.225,17.1 15.475,17.55 15.975,17.55 16.475,17.55 16.975,17.55 17.475,17.55 17.975,17.55 18.475,17.55 15.225,18 15.725,18 16.225,18 16.725,18 17.225,18 17.725,18 18.225,18 18.725,18 15.475,18.45 18.475,18.45 15.225,18.9 18.725,18.9 15.225,19.475 18.725,19.475 15.225,20.025 18.725,20.025 15.225,20.6 18.725,20.6 15.475,21.05 18.475,21.05 15.225,21.5 15.725,21.5 16.725,21.5 17.225,21.5 17.725,21.5 18.225,21.5 18.725,21.5 53,21.5 53.5,21.5 54,21.5 54.5,21.5 55,21.5 55.5,21.5 56,21.5 56.5,21.5 57,21.5 15.475,21.95 15.975,21.95 16.475,21.95 16.975,21.95 17.475,21.95 17.975,21.95 18.475,21.95 53,22 53.5,22 54,22 54.5,22 55,22 55.5,22 56,22 56.5,22 57,22 15.725,22.4 16.725,22.4 17.225,22.4 17.725,22.4 18.225,22.4 53,22.5 53.5,22.5 54,22.5 54.5,22.5 55,22.5 55.5,22.5 56,22.5 56.5,22.5 57,22.5 53,23 53.5,23 54,23 54.5,23 55,23 55.5,23 56,23 56.5,23 57,23
  other v2: 29,2 32,2 35,2 38,2 41,2 24.5,5 27.5,5 30.5,5 33.5,5 36.5,5 23,8 26,8 29,8 32,8 35,8 38,8 21.5,11 24.5,11 27.5,11 30.5,11 33.5,11 23,14 26,14 29,14 32,14 21.5,17 24.5,17 27.5,17 30.5,17 33.5,17 36.5,17 20,20 23,20 26,20 29,20 32,20 35,20 41,20 21.5,23 30.5,23 36.5,23 48.5,23
V_Bat_Fused: C803A.2 C803B.2 F1.2 IC801A.2 IC801B.2 R303.1 R402.2 R404.2 R600.1 R604.1 TP1.1 | length 175.1
  Top Layer w0.203: v1(53,27.6) 53,27.261 51.8,26.061 51.8,16.9 54.4,14.3 C803A.2@59.1,14.3 58.47,13.67 58.47,12.881 58.781,12.57 59.918,12.57 IC801A.2@59.938,12.55 ; v1(70.324,33.618) 70.145,33.438 70.145,32.091 70.324,31.913 71.117,31.913 IC801B.2@71.162,31.868
  Top Layer w0.4: F1.2@18.7,30.4 TP1.1@21,30.4 22.25,31.65 R600.1@22.25,33.1 ; R600.1@22.4,33.25 v1(22.4,34.3) ; v1@34,37.15 R604.1@35.4,37.15 R604.1@35.475,37.15 ; R404.2@91.15,64.3 91.196,64.346 91.196,65.806 R402.2@91.242,65.852 91.21,65.884 91.21,66.69 v1(91.2,66.7)
  Mid Layer 2 w0.4: v1(34,37.2) 34,41.9 42.525,50.425 83.45,50.425 89.125,56.1 89.125,65.925 90,66.8 91.1,66.8 v1(91.2,66.7)
  Bottom Layer w0.203: v1(34,37.2) 34,36.4 35.65,34.75 41.3,34.75 42.309,33.741 42.309,32.056 42.516,31.85 47.85,31.85 ; v1(53,27.6) 52.1,27.6 47.85,31.85 ; v1(70.324,33.618) 69.807,33.1 55.1,33.1 53.85,31.85 47.85,31.85
  Bottom Layer w0.4: v1(22.4,34.3) 22.4,35.3 24.3,37.2 v1(34,37.2)
V_BattLDO: C600.2 Q600.2 R600.2 | length 0.3
  Top Layer w0.203: Q600.2@19.8,35.1 Q600.2@20,35.3
  other v1: 18.529,34.647 19.029,34.647 19.529,34.647 20.029,34.647 20.529,34.647 21.029,34.647 18.529,35.147 19.029,35.147 19.529,35.147 20.029,35.147 20.529,35.147 21.029,35.147 18.529,35.647 19.029,35.647 19.529,35.647 20.029,35.647 20.529,35.647 21.029,35.647
V_BattLTC: C604.2 IC600.1 R604.2 | length 3.8
  Top Layer w0.16: C604.2@33.9,38.5 34.05,38.65 R604.2@35.4,38.65
  Top Layer w0.203: IC600.1@31.7,38.5 IC600.1@32.202,38.5 ; IC600.1@32.25,38.452 IC600.1@32.202,38.5 ; C604.2@33.9,38.5 IC600.1@32.202,38.5
VBat_RTC: BT700.1 IC700.1 | length 44.7
  Mid Layer 2 w0.4: v1(6.4,39.5) 9.1,36.8 32.4,36.8 34.2,35 39.94,35 40.575,35.635 40.575,37.536 41.489,38.45 46.15,38.45 v1(46.5,38.8)
VBatt_LTC: C304.2 IC300.1 R303.2 | length 4.1
  Bottom Layer w0.203: R303.2@22.6,37.05 22.3,37.35 C304.2@22.3,38.6 22.4,38.7 IC300.1@24.675,38.7
VOCA: IC800A.11 R801A.1 R802A.2 | length 12.9
  Top Layer w0.203: R802A.2@38.5,19.145 38.5,17.6 38.5,15.695 39.868,14.327 45.262,14.327 45.32,14.385 45.494,14.385 45.982,14.873 45.982,15.697 IC800A.11@46.255,15.97
VOCB: IC800B.11 R801B.1 R802B.2 | length 5.5
  Top Layer w0.203: R801B.1@56.75,9.9 56.75,8.35 v1(56.8,8.3)
  Bottom Layer w0.203: v1(56.8,8.3) 57.597,9.097 58.797,9.097 59.4,9.7 IC800B.11@59.4,10.35
Vref2: C601.1 IC600.34 R601.1 R602.1 R603.1 TP602.1 | length 14.1
  Top Layer w0.203: TP602.1@17.8,49.4 18.95,49.4 R601.1@19,49.35 ; R601.1@19.075,49.35 19.625,49.9 20.725,49.9 20.975,50.15 R603.1@22,50.15 ; v1(19.3,46.2) 19.984,46.2 20.179,46.005 21.411,46.005 21.6,45.816 21.6,45.695 21.995,45.3 C601.1@22.1,45.3 22.3,45.5 IC600.34@24.6,45.5
  Bottom Layer w0.203: TP602.1@17.8,49.4 17.8,47.7 v1(19.3,46.2)
VrefH: C300.1 IC300.15 IC300.16 IC300.17 IC500A.4 IC500B.4 IC500C.4 IC500D.4 IC500E.4 IC500F.4 IC500G.4 IC500H.4 JS501A.1 JS501B.1 JS501C.1 JS501D.1 JS501E.1 JS501F.1 JS501G.1 JS501H.1 TP301.1 | length 104.7
  Mid Layer 4 w0.4: v1@66.149,44 v1@66.168,44.019
  Mid Layer 3 w0.4: TP301.1@24,51 31.501,43.499 44.461,43.499 44.577,43.615 v1@44.59,43.615 ; v1@44.61,43.635 45.26,43.635 45.625,44 v1(49.1,44) v1(53.3,44) v1(57.5,44) 61.626,44 61.701,44.075 66.111,44.075 66.158,44.028 v1@66.158,44.009 ; v1@66.181,44 v1@66.191,44.009 ; v1(66.181,44.019) 67.261,44.019 67.28,44.038 67.777,44.038 67.797,44.019 70.346,44.019 70.355,44.01 70.377,44.01 v1@70.384,44.016 ; v1(70.4,44) 72.362,44 72.55,44.188 74.599,44.188 74.686,44.1 v1(74.7,44.1)
  Bottom Layer w0.203: C300.1@22.7,48.775 22.595,48.775 22.307,49.063 22.307,49.077 22.1,49.284 22.1,50.316 22.289,50.505 23.521,50.505 24,50.984 TP301.1@24,51 ; C300.1@22.7,48.8 22.882,48.618 23.282,48.618 ; C300.1@23.1,48.8 23.282,48.618 ; C300.1@23.1,48.855 23.381,48.855 23.589,49.063 24.638,49.063 IC300.17@24.675,49.1 ; IC300.15@24.675,47.8 24.555,47.92 23.88,47.92 23.877,47.923 23.659,47.923 23.282,48.3 23.282,48.618 ; IC300.16@24.675,48.45 24.552,48.573 23.327,48.573 23.282,48.618 ; JS501H.1@44.5,48.6 44.5,48.237 44.648,48.089 44.648,48.077 45.055,47.67 45.055,46.347 44.67,45.962 44.67,45.145 44.613,45.087 44.613,43.638 v1(44.6,43.625) ; JS501G.1@48.8,48.6 48.8,48.237 48.948,48.089 48.948,48.077 49.355,47.67 49.355,46.347 48.97,45.962 48.97,45.145 IC500G.4@48.925,45.1 48.973,45.052 48.973,44.193 49.1,44.067 v1(49.1,44) ; JS501F.1@53.1,48.6 53.1,48.237 53.248,48.089 53.248,48.077 53.655,47.67 53.655,46.347 53.27,45.962 53.27,45.145 IC500F.4@53.225,45.1 53.263,45.063 53.263,44.037 v1(53.3,44) ; JS501E.1@57.4,48.6 57.4,48.237 57.548,48.089 57.548,48.077 57.955,47.67 57.955,46.347 57.57,45.962 57.57,45.145 IC500E.4@57.525,45.1 57.512,45.087 57.512,44.013 v1(57.5,44) ; JS501D.1@61.7,48.6 61.7,48.237 61.848,48.089 61.848,48.077 62.255,47.67 62.255,46.347 61.87,45.962 61.87,45.145 IC500D.4@61.825,45.1 61.813,45.087 61.813,44.013 v1(61.8,44) ; JS501C.1@66,48.6 66,48.237 66.148,48.089 66.148,48.077 66.555,47.67 66.555,46.347 66.17,45.962 66.17,45.145 IC500C.4@66.125,45.1 66.153,45.072 66.153,44.047 v1(66.181,44.019) ; JS501B.1@70.3,48.6 70.3,48.237 70.448,48.089 70.448,48.077 70.855,47.67 70.855,46.347 70.47,45.962 70.47,45.145 IC500B.4@70.425,45.1 70.413,45.087 70.413,44.013 v1(70.4,44) ; JS501A.1@74.6,48.6 74.6,48.237 74.748,48.089 74.748,48.077 75.155,47.67 75.155,46.347 74.77,45.962 74.77,45.145 74.712,45.087 74.712,44.113 v1(74.7,44.1)